# KiCad board Soldermander.kicad_pcb
title: Soldermander; date: 2024-07-26; rev: 1.0.1; company: RE: Flynn Dreilinger
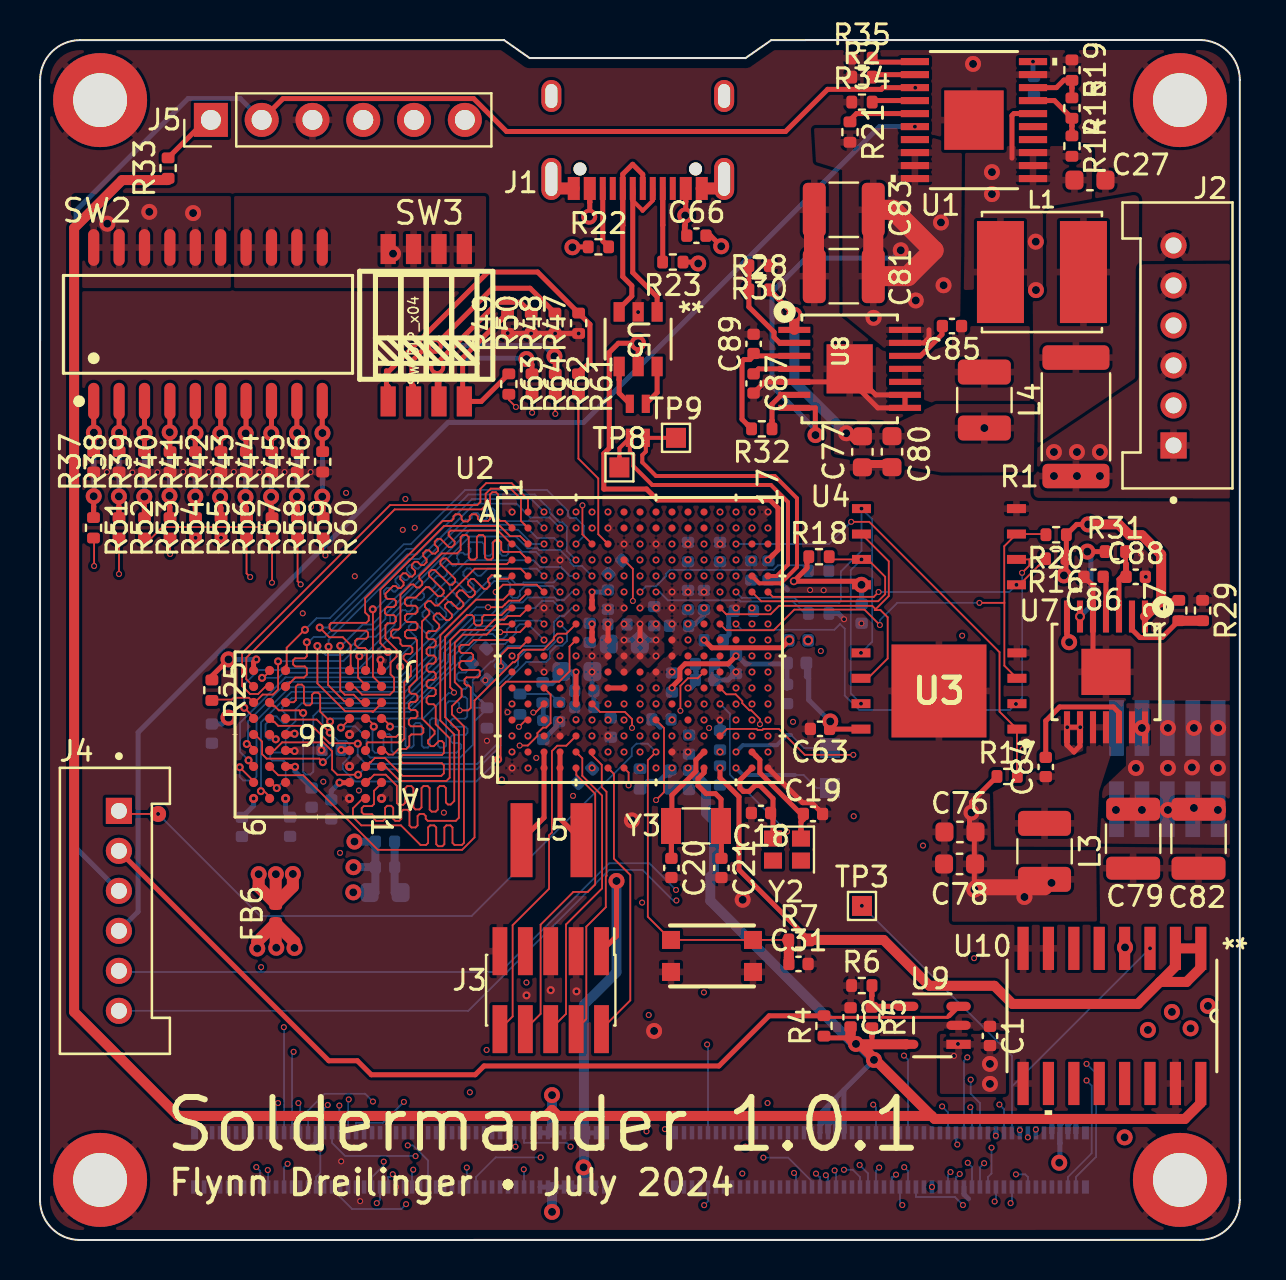
[diagram p0: board, top side]
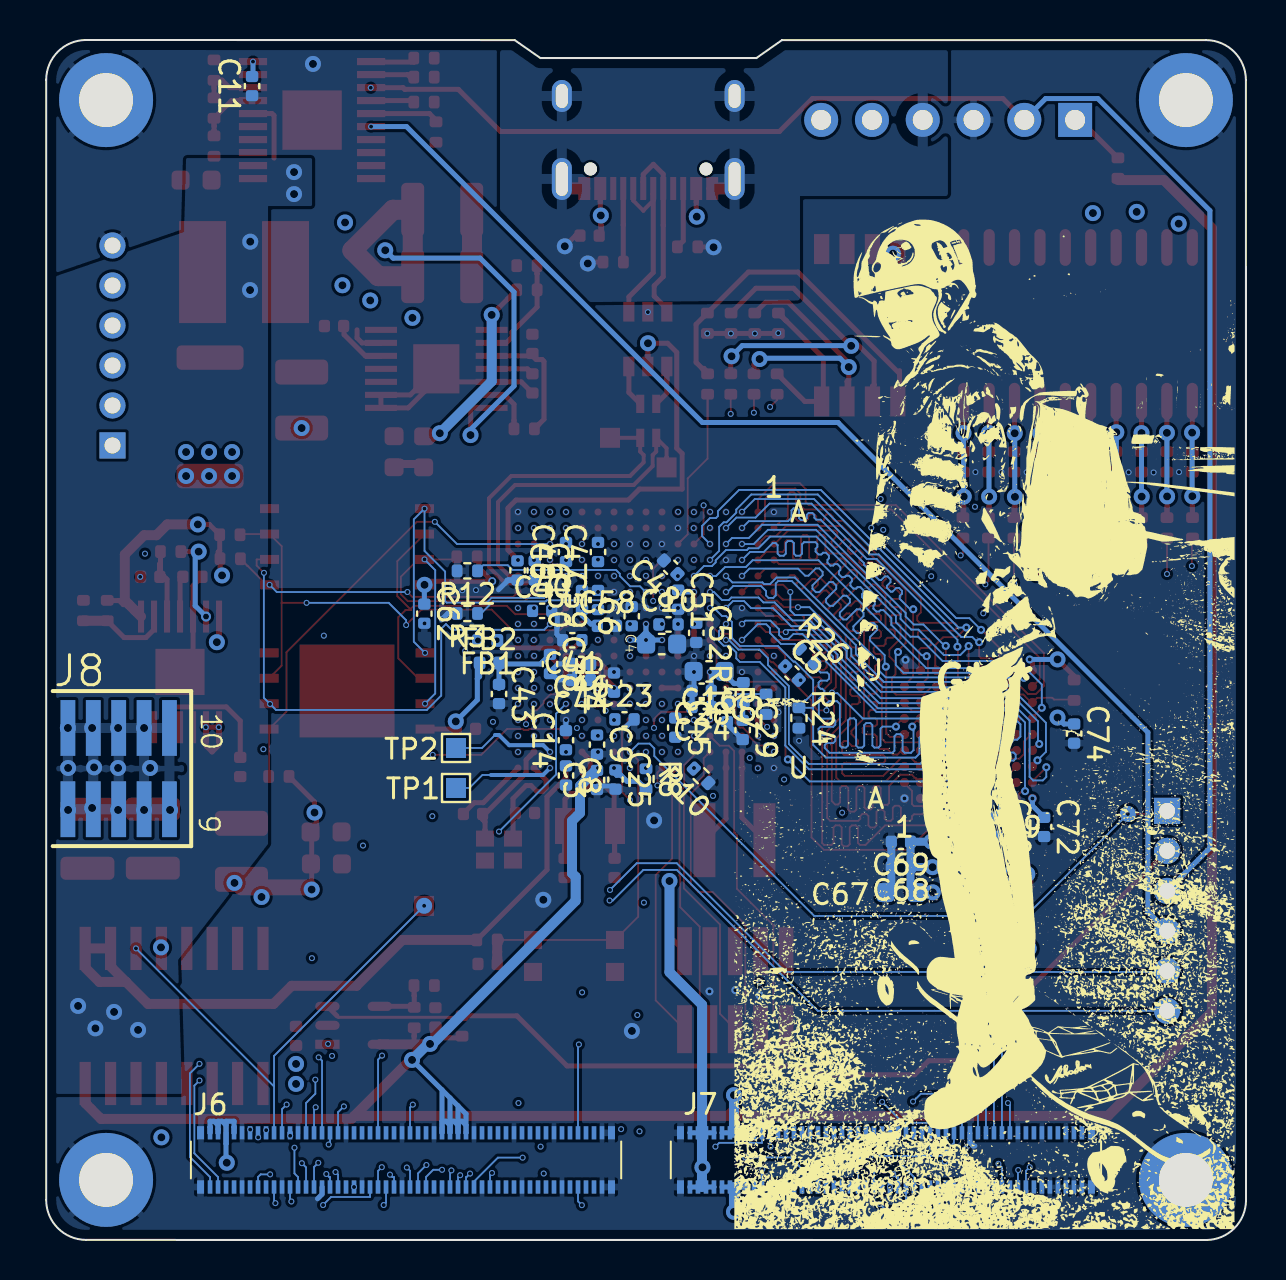
[diagram p1: board, bottom side, seen from below]

Outline 60 x 60.01 mm; copper layers: Top, In1.Cu, In2.Cu, In3.Cu, In4.Cu, Bottom. Coordinates in mm from the lower left corner of the outline.
Outline path: 0.01,58.01 0,2 arc(0.59,0.59) 2,0 58,0.01 arc(59.42,0.59) 60,2.01 60,58.01 arc(59.42,59.43) 58,60.01 36.57,60.01 35.28,59.11 24.49,59.11 23.21,60.01 2.01,60.01 arc(0.59,59.42) 0.01,58.01
Stack: Top 0.035mm / dielectric 0.1mm FR4 er 4.5 / In1.Cu 0.035mm / dielectric 0.535mm FR4 er 4.5 / In2.Cu 0.035mm / dielectric 0.1mm FR4 er 4.5 / In3.Cu 0.035mm / dielectric 0.535mm FR4 er 4.5 / In4.Cu 0.035mm / dielectric 0.1mm FR4 er 4.5 / Bottom 0.035mm

## Placement (name value [footprint] x y rotation side)
C1  1uF  [C_0402_1005Metric]  47.51 10.21 270 top
C2  1uF  [C_0402_1005Metric]  40.54 11.14 270 top
C3  1uF  [C_0402_1005Metric]  32.46 23.01 90 bottom
C4  22uF  [C_0603_1608Metric]  29.22 29.8 180 bottom
C5  10pF  [C_0402_1005Metric]  22.71 28.36 225 bottom
C6  4.7uF  [C_0402_1005Metric]  30.72 31.19 90 bottom
C7  4.7uF  [C_0402_1005Metric]  25.96 26.4 270 bottom
C8  2.2uF  [C_0402_1005Metric]  34.01 23.23 270 bottom
C9  4.7uF  [C_0402_1005Metric]  32.46 24.78 270 bottom
C10  0.1uF  [C_0402_1005Metric]  28.88 30.78 180 bottom
C11  22nF  [C_0402_1005Metric]  49.71 57.71 90 bottom
C14  0.22uF  [C_0402_1005Metric]  34.01 24.99 90 bottom
C16  22uF  [C_0603_1608Metric]  26.85 28.43 0 bottom
C18  8pF  [C_0402_1005Metric]  36.06 21.36 180 top
C19  8pF  [C_0402_1005Metric]  38.66 21.31 0 top
C20  10pF  [C_0402_1005Metric]  31.58 18.61 270 top
C21  10pF  [C_0402_1005Metric]  34.08 18.61 270 top
C23  4.7uF  [C_0402_1005Metric]  31.08 26.03 180 bottom
C24  4.7uF  [C_0402_1005Metric]  27.22 26.65 0 bottom
C25  0.1uF  [C_0402_1005Metric]  31.53 23.03 270 bottom
C27  22uF  [C_0603_1608Metric]  52.51 53.01 0 top
C28  0.1uF  [C_0402_1005Metric]  27.22 27.46 0 bottom
C29  0.22uF  [C_0402_1005Metric]  25.17 25.5 270 bottom
C31  0.1uF  [C_0402_1005Metric]  37.93 13.81 0 top
C34  0.1uF  [C_0402_1005Metric]  31.61 27.88 90 bottom
C38  1uF  [C_0402_1005Metric]  34.81 28.81 270 bottom
C40  2.2uF  [C_0402_1005Metric]  35.2 31.46 180 bottom
C41  1uF  [C_0402_1005Metric]  33.69 29.99 0 bottom
C43  4.7uF  [C_0402_1005Metric]  37.36 27.31 270 bottom
C44  4.7uF  [C_0402_1005Metric]  33.26 28.01 0 bottom
C45  2.2uF  [C_0402_1005Metric]  28.54 25.62 270 bottom
C46  2.2uF  [C_0402_1005Metric]  33.26 28.81 0 bottom
C47  2.2uF  [C_0402_1005Metric]  32.41 34.41 90 bottom
C48  2.2uF  [C_0402_1005Metric]  28.77 33.64 45 bottom
C49  2.2uF  [C_0402_1005Metric]  34.01 34.41 90 bottom
C50  2.2uF  [C_0402_1005Metric]  33.21 32.01 90 bottom
C51  4.7uF  [C_0402_1005Metric]  28.4 32.02 270 bottom
C52  4.7uF  [C_0402_1005Metric]  27.49 30.36 270 bottom
C58  1uF  [C_0402_1005Metric]  31.96 30.71 180 bottom
C59  1uF  [C_0402_1005Metric]  32.41 32.01 90 bottom
C60  1uF  [C_0402_1005Metric]  36.43 33.48 270 bottom
C61  1uF  [C_0402_1005Metric]  35.57 33.48 270 bottom
C62  1uF  [C_0402_1005Metric]  41.09 31.32 270 bottom
C63  1uF  [C_0402_1005Metric]  39.01 25.56 180 top
C66  4.7uF  [C_0402_1005Metric]  32.83 50.23 0 top
C67  22uF  [C_0603_1608Metric]  17.26 17.38 0 bottom
C68  4.7uF  [C_0402_1005Metric]  17.26 18.65 0 bottom
C69  0.1uF  [C_0402_1005Metric]  17.26 19.92 0 bottom
C70  0.1uF  [C_0402_1005Metric]  12.51 20.67 270 bottom
C71  0.1uF  [C_0402_1005Metric]  14.57 21.54 270 bottom
C72  0.1uF  [C_0402_1005Metric]  10.1 20.66 270 bottom
C73  0.1uF  [C_0402_1005Metric]  14.58 24.52 180 bottom
C74  0.1uF  [C_0402_1005Metric]  8.6 25.33 270 bottom
C75  0.1uF  [C_0402_1005Metric]  13.59 22.13 270 bottom
C76  22uF  [C_0603_1608Metric]  46.01 20.41 0 top
C77  22uF  [C_0603_1608Metric]  41.13 39.42 90 top
C78  22uF  [C_0603_1608Metric]  45.99 18.81 0 top
C79  100uF  [C_1210_3225Metric]  54.67 20.07 270 top
C80  22uF  [C_0603_1608Metric]  42.61 39.42 90 top
C81  100uF  [C_1210_3225Metric]  40.2 48.2 180 top
C82  100uF  [C_1210_3225Metric]  57.94 20.07 270 top
C83  100uF  [C_1210_3225Metric]  40.2 51.52 180 top
C84  0.1uF  [C_0402_1005Metric]  50.3 23.66 90 top
C85  0.1uF  [C_0402_1005Metric]  45.61 45.71 180 top
C86  3.3nF  [C_0402_1005Metric]  52.69 33.17 180 top
C87  3.3nF  [C_0402_1005Metric]  35.69 42.84 270 top
C88  1uF  [C_0402_1005Metric]  54.8 33.17 0 top
C89  1uF  [C_0402_1005Metric]  35.69 44.82 90 top
FB1  190mΩ  [Fuse_0402_1005Metric]  37.93 29.99 0 bottom
FB2  190mΩ  [Fuse_0402_1005Metric]  37.84 28.86 180 bottom
FB6  190mΩ  [Fuse_0402_1005Metric]  11.79 16.33 90 top
G***  LOGO  [grace_skate]  13.08 27.95 180 bottom
H1  MountingHole_Pad  [MountingHole_2.7mm_M2.5_DIN965_Pad]  57.01 57.01 0 top
H2  MountingHole_Pad  [MountingHole_2.7mm_M2.5_DIN965_Pad]  3.01 57.01 0 top
H3  MountingHole_Pad  [MountingHole_2.7mm_M2.5_DIN965_Pad]  3.01 3.01 0 top
H4  MountingHole_Pad  [MountingHole_2.7mm_M2.5_DIN965_Pad]  57.01 3.01 0 top
J1  USB_C_pycubed  [USB_C_Receptacle_XKB_U262-161N-4BVC11]  30.39 57.61 180 top
J2  353620650  [MOLEX_35362-0650]  56.69 44.74 270 top
J3  JTAG_SWD_10  [PinHeader_2x05_P1.27mm_Vertical_SMD]  25.54 12.49 270 top
J4  353620650  [MOLEX_35362-0650]  3.95 16.46 90 top
J5  Conn_01x06  [PinHeader_1x06_P2.54mm_Vertical]  8.55 56.02 90 top
J6  DF40C-100DP-0.4V(51)  [DF40C100DP04V51]  42.01 4.01 180 bottom
J7  DF40C-100DP-0.4V(51)  [DF40C100DP04V51]  18.01 4.01 180 bottom
J8  -  [SAMTEC-FTS-105-03-X-DV]  56.38 23.57 180 bottom
L1  330uH  [IND_SRN6045TA-331K]  50.11 48.41 180 top
L2  DLW21HN900SQ2L  [IND4_CHOKE_0805]  29.9 40.97 90 top
L3  3.3uH  [L_1210_3225Metric]  50.24 19.44 270 top
L4  3.3uH  [L_1210_3225Metric]  47.23 42.01 270 top
L5  4.7µH  [IND_4x4mm]  25.58 19.99 0 top
R1  10mΩ  [R_2512_6332Metric]  51.81 41.17 90 top
R2  0Ω  [R_0402_1005Metric]  41.11 58.16 0 top  (not fitted)
R3  10kΩ  [R_0402_1005Metric]  38.94 31.33 0 bottom
R4  10kΩ  [R_0402_1005Metric]  39.21 10.71 90 top
R5  2.2MΩ  [R_0402_1005Metric]  41.6 11.13 270 top
R6  1.27MΩ  [R_0402_1005Metric]  41.1 12.73 0 top
R7  10kΩ  [R_0402_1005Metric]  37.96 15.01 0 top
R8  100kΩ  [R_0402_1005Metric]  30.01 23.06 270 bottom
R9  4.7kΩ  [R_0402_1005Metric]  24 26.79 90 bottom
R10  4.7kΩ  [R_0402_1005Metric]  27.25 23.21 45 bottom
R11  30kΩ  [R_0402_1005Metric]  25.14 27.37 90 bottom
R12  10kΩ  [R_0402_1005Metric]  38.94 33.46 0 bottom
R14  806kΩ  [R_0402_1005Metric]  51.61 54.71 270 top
R15  100kΩ  [R_0402_1005Metric]  51.61 56.61 270 top
R16  10kΩ  [R_0402_1005Metric]  50.8 34.07 180 top
R17  10kΩ  [R_0402_1005Metric]  48.37 23.18 0 top
R18  33k  [R_0402_1005Metric]  38.96 34.17 0 top
R19  100kΩ  [R_0402_1005Metric]  51.61 58.51 270 top
R20  33k  [R_0402_1005Metric]  50.82 35.27 180 top
R21  10kΩ  [R_0402_1005Metric]  40.51 55.41 270 top
R22  5.1kΩ  [R_0402_1005Metric]  27.93 49.67 0 top
R23  5.1kΩ  [R_0402_1005Metric]  31.65 48.91 180 top
R24  100kΩ  [R_0402_1005Metric]  22.36 26.11 270 bottom
R25  4.7K - DNP  [R_0402_1005Metric]  8.6 27.5 270 top
R26  0Ω  [R_0402_1005Metric]  21.96 29.22 225 bottom
R27  30.1kΩ  [R_0402_1005Metric]  56.95 31.48 90 top
R28  73.2kΩ  [R_0402_1005Metric]  35.96 47.52 0 top
R29  22.1kΩ  [R_0402_1005Metric]  58.14 31.48 270 top
R30  22.1kΩ  [R_0402_1005Metric]  35.96 48.73 180 top
R31  100kΩ  [R_0402_1005Metric]  53.78 34.43 0 top
R32  100kΩ  [R_0402_1005Metric]  36.1 40.57 180 top
R33  10kΩ  [R_0402_1005Metric]  6.41 53.61 90 top
R34  30kΩ  [R_0402_1005Metric]  41.11 56.91 0 top
R35  18kΩ  [R_0402_1005Metric]  41.11 59.11 0 top
R37  47kΩ  [R_0402_1005Metric]  2.69 38.92 90 top
R38  47kΩ  [R_0402_1005Metric]  3.96 38.92 90 top
R39  47kΩ  [R_0402_1005Metric]  5.23 38.92 90 top
R40  47kΩ  [R_0402_1005Metric]  6.5 38.92 90 top
R41  47kΩ  [R_0402_1005Metric]  7.77 38.92 90 top
R42  47kΩ  [R_0402_1005Metric]  9.05 38.92 90 top
R43  47kΩ  [R_0402_1005Metric]  10.32 38.92 90 top
R44  47kΩ  [R_0402_1005Metric]  11.59 38.92 90 top
R45  47kΩ  [R_0402_1005Metric]  12.86 38.92 90 top
R46  47kΩ  [R_0402_1005Metric]  14.14 38.92 90 top
R47  47kΩ  [R_0402_1005Metric]  26.94 45.85 90 top
R48  47kΩ  [R_0402_1005Metric]  25.75 45.85 90 top
R49  100kΩ  [R_0402_1005Metric]  23.38 45.85 90 top
R50  100kΩ  [R_0402_1005Metric]  24.57 45.85 90 top
R51  22kΩ  [R_0402_1005Metric]  2.68 35.62 270 top
R52  22kΩ  [R_0402_1005Metric]  3.95 35.62 270 top
R53  22kΩ  [R_0402_1005Metric]  5.23 35.62 270 top
R54  22kΩ  [R_0402_1005Metric]  6.5 35.62 270 top
R55  22kΩ  [R_0402_1005Metric]  7.78 35.62 270 top
R56  22kΩ  [R_0402_1005Metric]  9.05 35.62 270 top
R57  22kΩ  [R_0402_1005Metric]  10.33 35.62 270 top
R58  22kΩ  [R_0402_1005Metric]  11.6 35.62 270 top
R59  22kΩ  [R_0402_1005Metric]  12.88 35.62 270 top
R60  22kΩ  [R_0402_1005Metric]  14.16 35.62 270 top
R61  22kΩ  [R_0402_1005Metric]  26.93 42.81 270 top
R62  22kΩ  [R_0402_1005Metric]  25.77 42.81 270 top
R63  4.7kΩ  [R_0402_1005Metric]  23.45 42.81 270 top
R64  4.7kΩ  [R_0402_1005Metric]  24.61 42.81 270 top
SW1  SWITCH_SMT4.6X2.8  [BTN_KMR2_4.6X2.8]  33.61 14.21 0 top
SW2  SW_DIP_x10  [SW-SMD_DSHP10TS-S]  8.4 45.79 0 top
SW3  SW_DIP_x04  [SW-SMD_8P-L6.7-W5.4-P1.27-LS8.5]  19.32 45.75 0 top
TP1  TestPoint  [TestPoint_Pad_1.0x1.0mm]  39.51 22.61 0 bottom
TP2  TestPoint  [TestPoint_Pad_1.0x1.0mm]  39.51 24.61 0 bottom
TP3  TestPoint  [TestPoint_Pad_1.0x1.0mm]  41.11 16.71 0 top
TP8  TestPoint  [TestPoint_Pad_1.0x1.0mm]  28.98 38.64 0 top
TP9  TestPoint  [TestPoint_Pad_1.0x1.0mm]  31.81 40.12 0 top
U1  TPS16630PWPR  [HTSSOP20_PWP_TEX]  46.71 56.01 180 top
U2  MIMXRT1176  [U_MIMXRT1176DVMAA_NXP]  30.01 30.01 0 top
U3  EM064LXQADG13IS1T  [SON127P800X600X95-9N-D]  44.96 27.46 180 top  (not fitted)
U4  MT29F1G01ABBFDWB  [UDFN800X600X65-8]  44.96 34.67 0 top
U5  USBLC6-2SC6  [SOT23-6L_STM]  29.91 45.05 270 top
U6  MT48H32M16LFB4-6  [VFBGA54_8X8_MRN]  13.88 25.28 180 top
U7  TPS54226PWPRPWP14_2P31X2P46-L  [PWP14_2P31X2P46-L]  53.31 28.41 270 top
U8  TPS54226PWPRPWP14_2P31X2P46-L  [PWP14_2P31X2P46-L]  40.49 43.56 0 top
U9  LT3014IS5-TRMPBF  [S_5_ADI]  44.63 10.74 180 top
U10  CD40109BQNSRQ1  [NS16]  53.61 11.21 270 top
Y2  24.0mHz  [Crystal_SMD_2016-4Pin_2.0x1.6mm]  37.36 19.53 180 top
Y3  32.768kHz  [Crystal_SMD_3215-2Pin_3.2x1.5mm]  32.81 20.71 0 top

## Library data of the parts
C1 C2 C5 C11 C14 C18-C21 C60 C62 C63 = -: Footprint (for JLCPCB): 0402; Voltage Rating: 50V; ki_fp_filters: C_*
C3 C8 C38 C40 C41 C45-C50 C58 C59 C61 C66 C68 = -: Footprint (for JLCPCB): 0402; Voltage Rating: 10V; ki_fp_filters: C_*
C4 C16 C67 = -: Footprint (for JLCPCB): 0603; Voltage Rating: 6.3V; ki_fp_filters: C_*
C6 C7 C9 C23 C24 C29 C43 C44 C51 C52 = -: Footprint (for JLCPCB): 0402; Voltage Rating: 6.3V; ki_fp_filters: C_*
C10 C25 C28 C34 C70-C75 = -: Voltage Rating: 10V; ki_fp_filters: C_*
C27 C76-C78 C80 = -: Footprint (for JLCPCB): 0603; Voltage Rating: 6.3V
C31 C69 = -: Voltage Rating: 50V; ki_fp_filters: C_*
C79 C81-C83 = -: Description: 100uF 16V X5R 1210; Footprint (for JLCPCB): 1210; Voltage Rating: 50V
C84 C85 = -: Voltage Rating: 50V
C86 C87 = -: Description: 3.3nF +-10% 100V X7R 0603; Footprint (for JLCPCB): 0402; Voltage Rating: 50V
C88 C89 = -: Footprint (for JLCPCB): 0402; Voltage Rating: 50V
FB1 FB2 FB6 = -: Description: Ferrite Bead; Flight: BLM15AG121SN1D; Footprint (for JLCPCB): 0401; JLCPCB P/N: C85812; ki_fp_filters: Inductor_* L_* *Ferrite*
H1-H4 = -: DNI: DNI; ki_fp_filters: MountingHole*Pad*
J1 = -: Description: USB C Receptacle; Flight: U262-161N-4BVC11; JLCPCB P/N: C319148
J2 J4 = -: Datasheet: https://tools.molex.com/pdm_docs/sd/353620650_sd.pdf; Description: 6-pin sherlock through-hole connector; DNI: DNI; Manufacturer_Name: Molex
J3 = -: Description: JTAG/SWD 10-pin connector; Flight: BD125-10-A-0305-0580-L-B; JLCPCB P/N: C180221; Manufacturer_Name: GCT; ki_fp_filters: PinHeader?2x05?P1.27mm*
J5 = -: DNI: DNI; ki_fp_filters: Connector*:*_1x??_*
J6 J7 = -: Description: Hirose Board-to-Board Connector; JLCPCB P/N: C531031
J8 SW1 = -: DNI: DNI
L1 = -: Description: Inductor; Flight: SRN6045TA-331K; JLCPCB P/N: C2049953; Manufacturer_Name: Bourns; Unit Price: 0.54; ki_fp_filters: Choke_* *Coil* Inductor_* L_*
L2 = -: Description: Inductor; JLCPCB P/N: C80529
L3 L4 = -: Datasheet: https://datasheet.lcsc.com/lcsc/2009171412_TAI-TECH-HPC5040NF-3R3MTH_C304367.pdf; Description: 3.3uH Shielded Inductor; Flight: SRP3212-3R3M; Manufacturer_Name: Bourns; Power Rating: 3.1A, 3.4A Saturation; Proto: SRP3212-3R3M; Supplier 1: Digi-Key; ki_fp_filters: Choke_* *Coil* Inductor_* L_*
L5 = -: Flight: SNR4030-4R7MT; JLCPCB P/N: C5127393; ki_fp_filters: Choke_* *Coil* Inductor_* L_*
R1 = -: Footprint (for JLCPCB): 2512; JLCPCB P/N: C5116354; Power Rating: 3W; ki_fp_filters: R_*
R2 R4-R11 R15-R21 R24-R26 R33-R35 R37-R64 = -: Footprint (for JLCPCB): 0402; ki_fp_filters: R_*
R3 = -: Footprint (for JLCPCB): 0402; JLCPCB P/N: C3152014; ki_fp_filters: R_*
R12 = -: JLCPCB P/N: C3152014; Footprint (for JLCPCB): 0402; ki_fp_filters: R_*
R14 = -: Footprint (for JLCPCB): 0402; JLCPCB P/N: C3016043; ki_fp_filters: R_*
R22 R23 = -: Description: 5.1k 0402; Footprint (for JLCPCB): 0402; ki_fp_filters: R_*
R27 = -: Description: 30.1K 0402; Footprint (for JLCPCB): 0402; JLCPCB P/N: C208856
R28 = -: Description: 73.2K 0402; Footprint (for JLCPCB): 0402
R29 R30 = -: Description: 22.1K 0402; Footprint (for JLCPCB): 0402
R31 R32 = -: Footprint (for JLCPCB): 0402
SW2 = -: JLCPCB P/N Proto: C319046; Proto: DSHP10TS-S; ki_fp_filters: SW?DIP?x10*
SW3 = -: JLCPCB P/N Proto: C319050; Proto: DSHP04TS-S; ki_fp_filters: SW?DIP?x4*
TP1-TP3 TP8 TP9 = -: DNI: DNI; ki_fp_filters: Pin* Test*
U1 = -: Description: Load Switch; JLCPCB P/N: C1849462; ki_fp_filters: HTSSOP20_PWP_TEX HTSSOP20_PWP_TEX-M HTSSOP20_PWP_TEX-L
U2 = -: Description: Microcontroller; Flight: MIMXRT1176AVM8A; JLCPCB P/N: C1020267; JLCPCB P/N Proto: C1020268; Proto: MIMXRT1176DVM8A
U3 = -: Description: STT-MRAM (xSPI); DNI: DNI; Height: 0.95; Manufacturer_Name: Everspin Technologies
U4 = -: Description: NAND Flash; JLCPCB P/N Proto: C5330479
U5 = -: Description: USB TVS diodes; JLCPCB P/N: C2687116; ki_fp_filters: SOT23-6L_STM SOT23-6L_STM-M SOT23-6L_STM-L
U6 = -: Description: SDRAM; JLCPCB P/N: C1351581
U7 U8 = -: Datasheet: https://www.ti.com/lit/gpn/tps54226; Description: Adjustable Switching Regulator; Flight: TPS54226PWPR; JLCPCB P/N: C72066; Manufacturer_Name: Texas Instruments; Proto: TPS54226PWPR; Field12: >Name
U9 = -: Description: Adjustable LDO; JLCPCB P/N: C666272; ki_fp_filters: S_5_ADI
U10 = -: Datasheet: https://www.ti.com/lit/ds/schs380a/schs380a.pdf; Description: Level Shifter; JLCPCB P/N: C2677390; ki_fp_filters: NS16 NS16-M NS16-L
Y2 = -: Datasheet: https://www.mouser.com/datasheet/2/281/1/SPEC_XRCGB24M000F1SBDR0-2399416.pdf; Description: 24.0mHz Crystal Oscillator; Flight: XRCGB24M000F1H01R0; JLCPCB P/N: C1986107; Manufacturer_Name: Murata Electronics; ki_fp_filters: Crystal*
Y3 = -: Datasheet: https://abracon.com/Resonators/ABS07.pdf; Description: 32.768kHz Crystal Oscillator; Flight: 20021221-00010C4LF; JLCPCB P/N: C145140; Manufacturer_Name: Abracon LLC; ki_fp_filters: Crystal*

## Footprints (pads in the part's own frame, mm; a bottom-side part is the same pattern mirrored in y, then rotated)
BTN_KMR2_4.6X2.8
  rect 0.9x0.9 smd: A(2.05,0.8) A'(-2.05,0.8) B(2.05,-0.8) B'(-2.05,-0.8)
C_0402_1005Metric
  rrect 0.56x0.62 smd: 1(-0.48,0) 2(0.48,0)
C_0603_1608Metric
  rrect 0.9x0.95 smd: 1(-0.775,0) 2(0.775,0)
C_1210_3225Metric
  rrect 1.15x2.7 smd: 1(-1.475,0) 2(1.475,0)
Crystal_SMD_2016-4Pin_2.0x1.6mm
  rect 0.9x0.8 smd: 1(-0.7,-0.55) 2(0.7,-0.55) 3(0.7,0.55) 4(-0.7,0.55)
Crystal_SMD_3215-2Pin_3.2x1.5mm
  rect 1x1.8 smd: 1(1.25,0) 2(-1.25,0)
DF40C100DP04V51
  rect 0.23x0.66 smd: 1(-9.8,-1.355) 2(-9.8,1.355) 3(-9.4,-1.355) 4(-9.4,1.355) 5(-9,-1.355) 6(-9,1.355) 7(-8.6,-1.355) 8(-8.6,1.355) 9(-8.2,-1.355) 10(-8.2,1.355) 11(-7.8,-1.355) 12(-7.8,1.355) 13(-7.4,-1.355) 14(-7.4,1.355) 15(-7,-1.355) 16(-7,1.355) 17(-6.6,-1.355) 18(-6.6,1.355) 19(-6.2,-1.355) 20(-6.2,1.355) 21(-5.8,-1.355) 22(-5.8,1.355) 23(-5.4,-1.355) 24(-5.4,1.355) 25(-5,-1.355) 26(-5,1.355) 27(-4.6,-1.355) 28(-4.6,1.355) 29(-4.2,-1.355) 30(-4.2,1.355) 31(-3.8,-1.355) 32(-3.8,1.355) 33(-3.4,-1.355) 34(-3.4,1.355) 35(-3,-1.355) 36(-3,1.355) 37(-2.6,-1.355) 38(-2.6,1.355) 39(-2.2,-1.355) 40(-2.2,1.355) 41(-1.8,-1.355) 42(-1.8,1.355) 43(-1.4,-1.355) 44(-1.4,1.355) 45(-1,-1.355) 46(-1,1.355) 47(-0.6,-1.355) 48(-0.6,1.355) 49(-0.2,-1.355) 50(-0.2,1.355) 51(0.2,-1.355) 52(0.2,1.355) 53(0.6,-1.355) 54(0.6,1.355) 55(1,-1.355) 56(1,1.355) 57(1.4,-1.355) 58(1.4,1.355) 59(1.8,-1.355) 60(1.8,1.355) 61(2.2,-1.355) 62(2.2,1.355) 63(2.6,-1.355) 64(2.6,1.355) 65(3,-1.355) 66(3,1.355) 67(3.4,-1.355) 68(3.4,1.355) 69(3.8,-1.355) 70(3.8,1.355) 71(4.2,-1.355) 72(4.2,1.355) 73(4.6,-1.355) 74(4.6,1.355) 75(5,-1.355) 76(5,1.355) 77(5.4,-1.355) 78(5.4,1.355) 79(5.8,-1.355) 80(5.8,1.355) 81(6.2,-1.355) 82(6.2,1.355) 83(6.6,-1.355) 84(6.6,1.355) 85(7,-1.355) 86(7,1.355) 87(7.4,-1.355) 88(7.4,1.355) 89(7.8,-1.355) 90(7.8,1.355) 91(8.2,-1.355) 92(8.2,1.355) 93(8.6,-1.355) 94(8.6,1.355) 95(9,-1.355) 96(9,1.355) 97(9.4,-1.355) 98(9.4,1.355) 99(9.8,-1.355) 100(9.8,1.355)
  rect 0.35x0.66 smd: MH1(-10.275,-1.355) MH2(-10.275,1.355) MH3(10.275,-1.355) MH4(10.275,1.355)
Fuse_0402_1005Metric
  rrect 0.59x0.64 smd: 1(-0.485,0) 2(0.485,0)
HTSSOP20_PWP_TEX
  rect 1.41x0.356 smd: 1(-2.953,2.925) 2(-2.953,2.275) 3(-2.953,1.625) 4(-2.953,0.975) 5(-2.953,0.325) 6(-2.953,-0.325) 7(-2.953,-0.975) 8(-2.953,-1.625) 9(-2.953,-2.275) 10(-2.953,-2.925) 11(2.953,-2.925) 12(2.953,-2.275) 13(2.953,-1.625) 14(2.953,-0.975) 15(2.953,-0.325) 16(2.953,0.325) 17(2.953,0.975) 18(2.953,1.625) 19(2.953,2.275) 20(2.953,2.925)
  rect 2.972x2.972 smd: 21(0,0)
IND4_CHOKE_0805
  rect 0.914x0.406 smd: 1(0.85,0.4) 2(-0.85,0.4) 3(-0.85,-0.4) 4(0.85,-0.4)
IND_4x4mm
  rect 1.1x3.7 smd: 1(-1.5,0) 2(1.5,0)
IND_SRN6045TA-331K
  rect 2.35x5.1 smd: 1(-2.075,0) 2(2.075,0)
L_1210_3225Metric
  rrect 1.25x2.65 smd: 1(-1.4,0) 2(1.4,0)
MOLEX_35362-0650
  rect 1.308x1.308 hole 0.8: 1(5,0)
  round 1.308 hole 0.8: 2(3,0) 3(1,0) 4(-1,0) 5(-3,0) 6(-5,0)
MountingHole_2.7mm_M2.5_DIN965_Pad
  round 4.7 hole 2.7: 1(0,0)
NS16
  rect 2.159x0.559 smd: 1(-3.378,4.445) 2(-3.378,3.175) 3(-3.378,1.905) 4(-3.378,0.635) 5(-3.378,-0.635) 6(-3.378,-1.905) 7(-3.378,-3.175) 8(-3.378,-4.445) 9(3.378,-4.445) 10(3.378,-3.175) 11(3.378,-1.905) 12(3.378,-0.635) 13(3.378,0.635) 14(3.378,1.905) 15(3.378,3.175) 16(3.378,4.445)
PinHeader_1x06_P2.54mm_Vertical
  rect 1.7x1.7 hole 1: 1(0,0)
  oval 1.7x1.7 hole 1: 2(0,-2.54) 3(0,-5.08) 4(0,-7.62) 5(0,-10.16) 6(0,-12.7)
PinHeader_2x05_P1.27mm_Vertical_SMD
  rect 2.4x0.74 smd: 1(-1.95,2.54) 2(1.95,2.54) 3(-1.95,1.27) 4(1.95,1.27) 5(-1.95,0) 6(1.95,0) 7(-1.95,-1.27) 8(1.95,-1.27) 9(-1.95,-2.54) 10(1.95,-2.54)
PWP14_2P31X2P46-L
  rect 1.6x0.305 smd: 1(-2.769,1.95) 2(-2.769,1.3) 3(-2.769,0.65) 4(-2.769,0) 5(-2.769,-0.65) 6(-2.769,-1.3) 7(-2.769,-1.95) 8(2.769,-1.95) 9(2.769,-1.3) 10(2.769,-0.65) 11(2.769,0) 12(2.769,0.65) 13(2.769,1.3) 14(2.769,1.95)
  rect 2.31x2.46 smd: 15(0,0)
R_0402_1005Metric
  rrect 0.54x0.64 smd: 1(-0.51,0) 2(0.51,0)
R_2512_6332Metric
  rrect 1.225x3.35 smd: 1(-2.962,0) 2(2.962,0)
S_5_ADI
  rect 1.219x0.457 smd: 1(-1.31,0.95)
  oval 1.219x0.457 smd: 2(-1.31,0) 3(-1.31,-0.95) 4(1.31,-0.95) 5(1.31,0.95)
SAMTEC-FTS-105-03-X-DV
  rect 0.74x2.79 smd: 1(-2.54,-2.032) 2(-2.54,2.032) 3(-1.27,-2.032) 4(-1.27,2.032) 5(0,-2.032) 6(0,2.032) 7(1.27,-2.032) 8(1.27,2.032) 9(2.54,-2.032) 10(2.54,2.032)
SON127P800X600X95-9N-D
  rect 0.95x0.45 smd: 1(-3.9,1.905) 2(-3.9,0.635) 3(-3.9,-0.635) 4(-3.9,-1.905) 5(3.9,-1.905) 6(3.9,-0.635) 7(3.9,0.635) 8(3.9,1.905)
  rect 4.75x4.65 smd: 9(0,0)
SOT23-6L_STM
  rect 0.978x0.559 smd: 1(-1.365,0.95) 2(-1.365,0) 3(-1.365,-0.95) 4(1.365,-0.95) 5(1.365,0) 6(1.365,0.95)
SW-SMD_8P-L6.7-W5.4-P1.27-LS8.5
  rect 0.762x1.5 smd: 1(-1.905,-3.81) 2(-0.635,-3.81) 3(0.635,-3.81) 4(1.905,-3.81) 5(1.905,3.81) 6(0.635,3.81) 7(-0.635,3.81) 8(-1.905,3.81)
SW-SMD_DSHP10TS-S
  oval 0.56x1.84 smd: 1(-5.715,-3.845) 2(-4.445,-3.845) 3(-3.175,-3.845) 4(-1.905,-3.845) 5(-0.635,-3.845) 6(0.635,-3.845) 7(1.905,-3.845) 8(3.175,-3.845) 9(4.445,-3.845) 10(5.715,-3.845) 11(5.715,3.845) 12(4.445,3.845) 13(3.175,3.845) 14(1.905,3.845) 15(0.635,3.845) 16(-0.635,3.845) 17(-1.905,3.845) 18(-3.175,3.845) 19(-4.445,3.845) 20(-5.715,3.845)
TestPoint_Pad_1.0x1.0mm
  rect 1x1 smd: 1(0,0)
U_MIMXRT1176DVMAA_NXP
  round 0.356 smd: A1(-6.4,6.401) A2(-5.6,6.401) A3(-4.8,6.401) A4(-4,6.401) A5(-3.2,6.401) A6(-2.4,6.401) A7(-1.6,6.401) A8(-0.8,6.401) A9(0,6.401) A10(0.8,6.401) A11(1.6,6.401) A12(2.4,6.401) A13(3.2,6.401) A14(4,6.401) A15(4.8,6.401) A16(5.6,6.401) A17(6.4,6.401) B1(-6.4,5.601) B2(-5.6,5.601) B3(-4.8,5.601) B4(-4,5.601) B5(-3.2,5.601) B6(-2.4,5.601) B7(-1.6,5.601) B8(-0.8,5.601) B9(0,5.601) B10(0.8,5.601) B11(1.6,5.601) B12(2.4,5.601) B13(3.2,5.601) B14(4,5.601) B15(4.8,5.601) B16(5.6,5.601) B17(6.4,5.601) C1(-6.4,4.801) C2(-5.6,4.801) C3(-4.8,4.801) C4(-4,4.801) C5(-3.2,4.801) C6(-2.4,4.801) C7(-1.6,4.801) C8(-0.8,4.801) C9(0,4.801) C10(0.8,4.801) C11(1.6,4.801) C12(2.4,4.801) C13(3.2,4.801) C14(4,4.801) C15(4.8,4.801) C16(5.6,4.801) C17(6.4,4.801) D1(-6.4,4) D2(-5.6,4) D3(-4.8,4) D4(-4,4) D5(-3.2,4) D6(-2.4,4) D7(-1.6,4) D8(-0.8,4) D9(0,4) D10(0.8,4) D11(1.6,4) D12(2.4,4) D13(3.2,4) D14(4,4) D15(4.8,4) D16(5.6,4) D17(6.4,4) E1(-6.4,3.2) E2(-5.6,3.2) E3(-4.8,3.2) E4(-4,3.2) E5(-3.2,3.2) E6(-2.4,3.2) E7(-1.6,3.2) E8(-0.8,3.2) E9(0,3.2) E10(0.8,3.2) E11(1.6,3.2) E12(2.4,3.2) E13(3.2,3.2) E14(4,3.2) E15(4.8,3.2) E16(5.6,3.2) E17(6.4,3.2) F1(-6.4,2.4) F2(-5.6,2.4) F3(-4.8,2.4) F4(-4,2.4) F5(-3.2,2.4) F6(-2.4,2.4) F7(-1.6,2.4) F8(-0.8,2.4) F9(0,2.4) F10(0.8,2.4) F11(1.6,2.4) F12(2.4,2.4) F13(3.2,2.4) F14(4,2.4) F15(4.8,2.4) F16(5.6,2.4) F17(6.4,2.4) G1(-6.4,1.6) G2(-5.6,1.6) G3(-4.8,1.6) G4(-4,1.6) G5(-3.2,1.6) G6(-2.4,1.6) G7(-1.6,1.6) G8(-0.8,1.6) G9(0,1.6) G10(0.8,1.6) G11(1.6,1.6) G12(2.4,1.6) G13(3.2,1.6) G14(4,1.6) G15(4.8,1.6) G16(5.6,1.6) G17(6.4,1.6) H1(-6.4,0.8) H2(-5.6,0.8) H3(-4.8,0.8) H4(-4,0.8) H5(-3.2,0.8) H6(-2.4,0.8) H7(-1.6,0.8) H8(-0.8,0.8) H9(0,0.8) H10(0.8,0.8) H11(1.6,0.8) H12(2.4,0.8) H13(3.2,0.8) H14(4,0.8) H15(4.8,0.8) H16(5.6,0.8) H17(6.4,0.8) J1(-6.4,0) J2(-5.6,0) J3(-4.8,0) J4(-4,0) J5(-3.2,0) J6(-2.4,0) J7(-1.6,0) J8(-0.8,0) J9(0,0) J10(0.8,0) J11(1.6,0) J12(2.4,0) J13(3.2,0) J14(4,0) J15(4.8,0) J16(5.6,0) J17(6.4,0) K1(-6.4,-0.8) K2(-5.6,-0.8) K3(-4.8,-0.8) K4(-4,-0.8) K5(-3.2,-0.8) K6(-2.4,-0.8) K7(-1.6,-0.8) K8(-0.8,-0.8) K9(0,-0.8) K10(0.8,-0.8) K11(1.6,-0.8) K12(2.4,-0.8) K13(3.2,-0.8) K14(4,-0.8) K15(4.8,-0.8) K16(5.6,-0.8) K17(6.4,-0.8) L1(-6.4,-1.6) L2(-5.6,-1.6) L3(-4.8,-1.6) L4(-4,-1.6) L5(-3.2,-1.6) L6(-2.4,-1.6) L7(-1.6,-1.6) L8(-0.8,-1.6) L9(0,-1.6) L10(0.8,-1.6) L11(1.6,-1.6) L12(2.4,-1.6) L13(3.2,-1.6) L14(4,-1.6) L15(4.8,-1.6) L16(5.6,-1.6) L17(6.4,-1.6) M1(-6.4,-2.4) M2(-5.6,-2.4) M3(-4.8,-2.4) M4(-4,-2.4) M5(-3.2,-2.4) M6(-2.4,-2.4) M7(-1.6,-2.4) M8(-0.8,-2.4) M9(0,-2.4) M10(0.8,-2.4) M11(1.6,-2.4) M12(2.4,-2.4) M13(3.2,-2.4) M14(4,-2.4) M15(4.8,-2.4) M16(5.6,-2.4) M17(6.4,-2.4) N1(-6.4,-3.2) N2(-5.6,-3.2) N3(-4.8,-3.2) N4(-4,-3.2) N5(-3.2,-3.2) N6(-2.4,-3.2) N7(-1.6,-3.2) N8(-0.8,-3.2) N9(0,-3.2) N10(0.8,-3.2) N11(1.6,-3.2) N12(2.4,-3.2) N13(3.2,-3.2) N14(4,-3.2) N15(4.8,-3.2) N16(5.6,-3.2) N17(6.4,-3.2) P1(-6.4,-4) P2(-5.6,-4) P3(-4.8,-4) P4(-4,-4) P5(-3.2,-4) P6(-2.4,-4) P7(-1.6,-4) P8(-0.8,-4) P9(0,-4) P10(0.8,-4) P11(1.6,-4) P12(2.4,-4) P13(3.2,-4) P14(4,-4) P15(4.8,-4) P16(5.6,-4) P17(6.4,-4) R1(-6.4,-4.801) R2(-5.6,-4.801) R3(-4.8,-4.801) R4(-4,-4.801) R5(-3.2,-4.801) R6(-2.4,-4.801) R7(-1.6,-4.801) R8(-0.8,-4.801) R9(0,-4.801) R10(0.8,-4.801) R11(1.6,-4.801) R12(2.4,-4.801) R13(3.2,-4.801) R14(4,-4.801) R15(4.8,-4.801) R16(5.6,-4.801) R17(6.4,-4.801) T1(-6.4,-5.601) T2(-5.6,-5.601) T3(-4.8,-5.601) T4(-4,-5.601) T5(-3.2,-5.601) T6(-2.4,-5.601) T7(-1.6,-5.601) T8(-0.8,-5.601) T9(0,-5.601) T10(0.8,-5.601) T11(1.6,-5.601) T12(2.4,-5.601) T13(3.2,-5.601) T14(4,-5.601) T15(4.8,-5.601) T16(5.6,-5.601) T17(6.4,-5.601) U1(-6.4,-6.401) U2(-5.6,-6.401) U3(-4.8,-6.401) U4(-4,-6.401) U5(-3.2,-6.401) U6(-2.4,-6.401) U7(-1.6,-6.401) U8(-0.8,-6.401) U9(0,-6.401) U10(0.8,-6.401) U11(1.6,-6.401) U12(2.4,-6.401) U13(3.2,-6.401) U14(4,-6.401) U15(4.8,-6.401) U16(5.6,-6.401) U17(6.4,-6.401)